# Altium PCB Lancelot.PcbDoc (part 14 of 14)
Units mil, origin at the board's own origin, x right, y up, seen from the top; angles counter-clockwise.
Board outline 4837.61 x 3252.61 mil, 6 copper layers (Top Layer, Mid-Layer 1, Mid-Layer 2, Mid-Layer 3, Mid-Layer 4, Bottom Layer); 372 components, 275 nets, 2062 pads, 1350 vias.
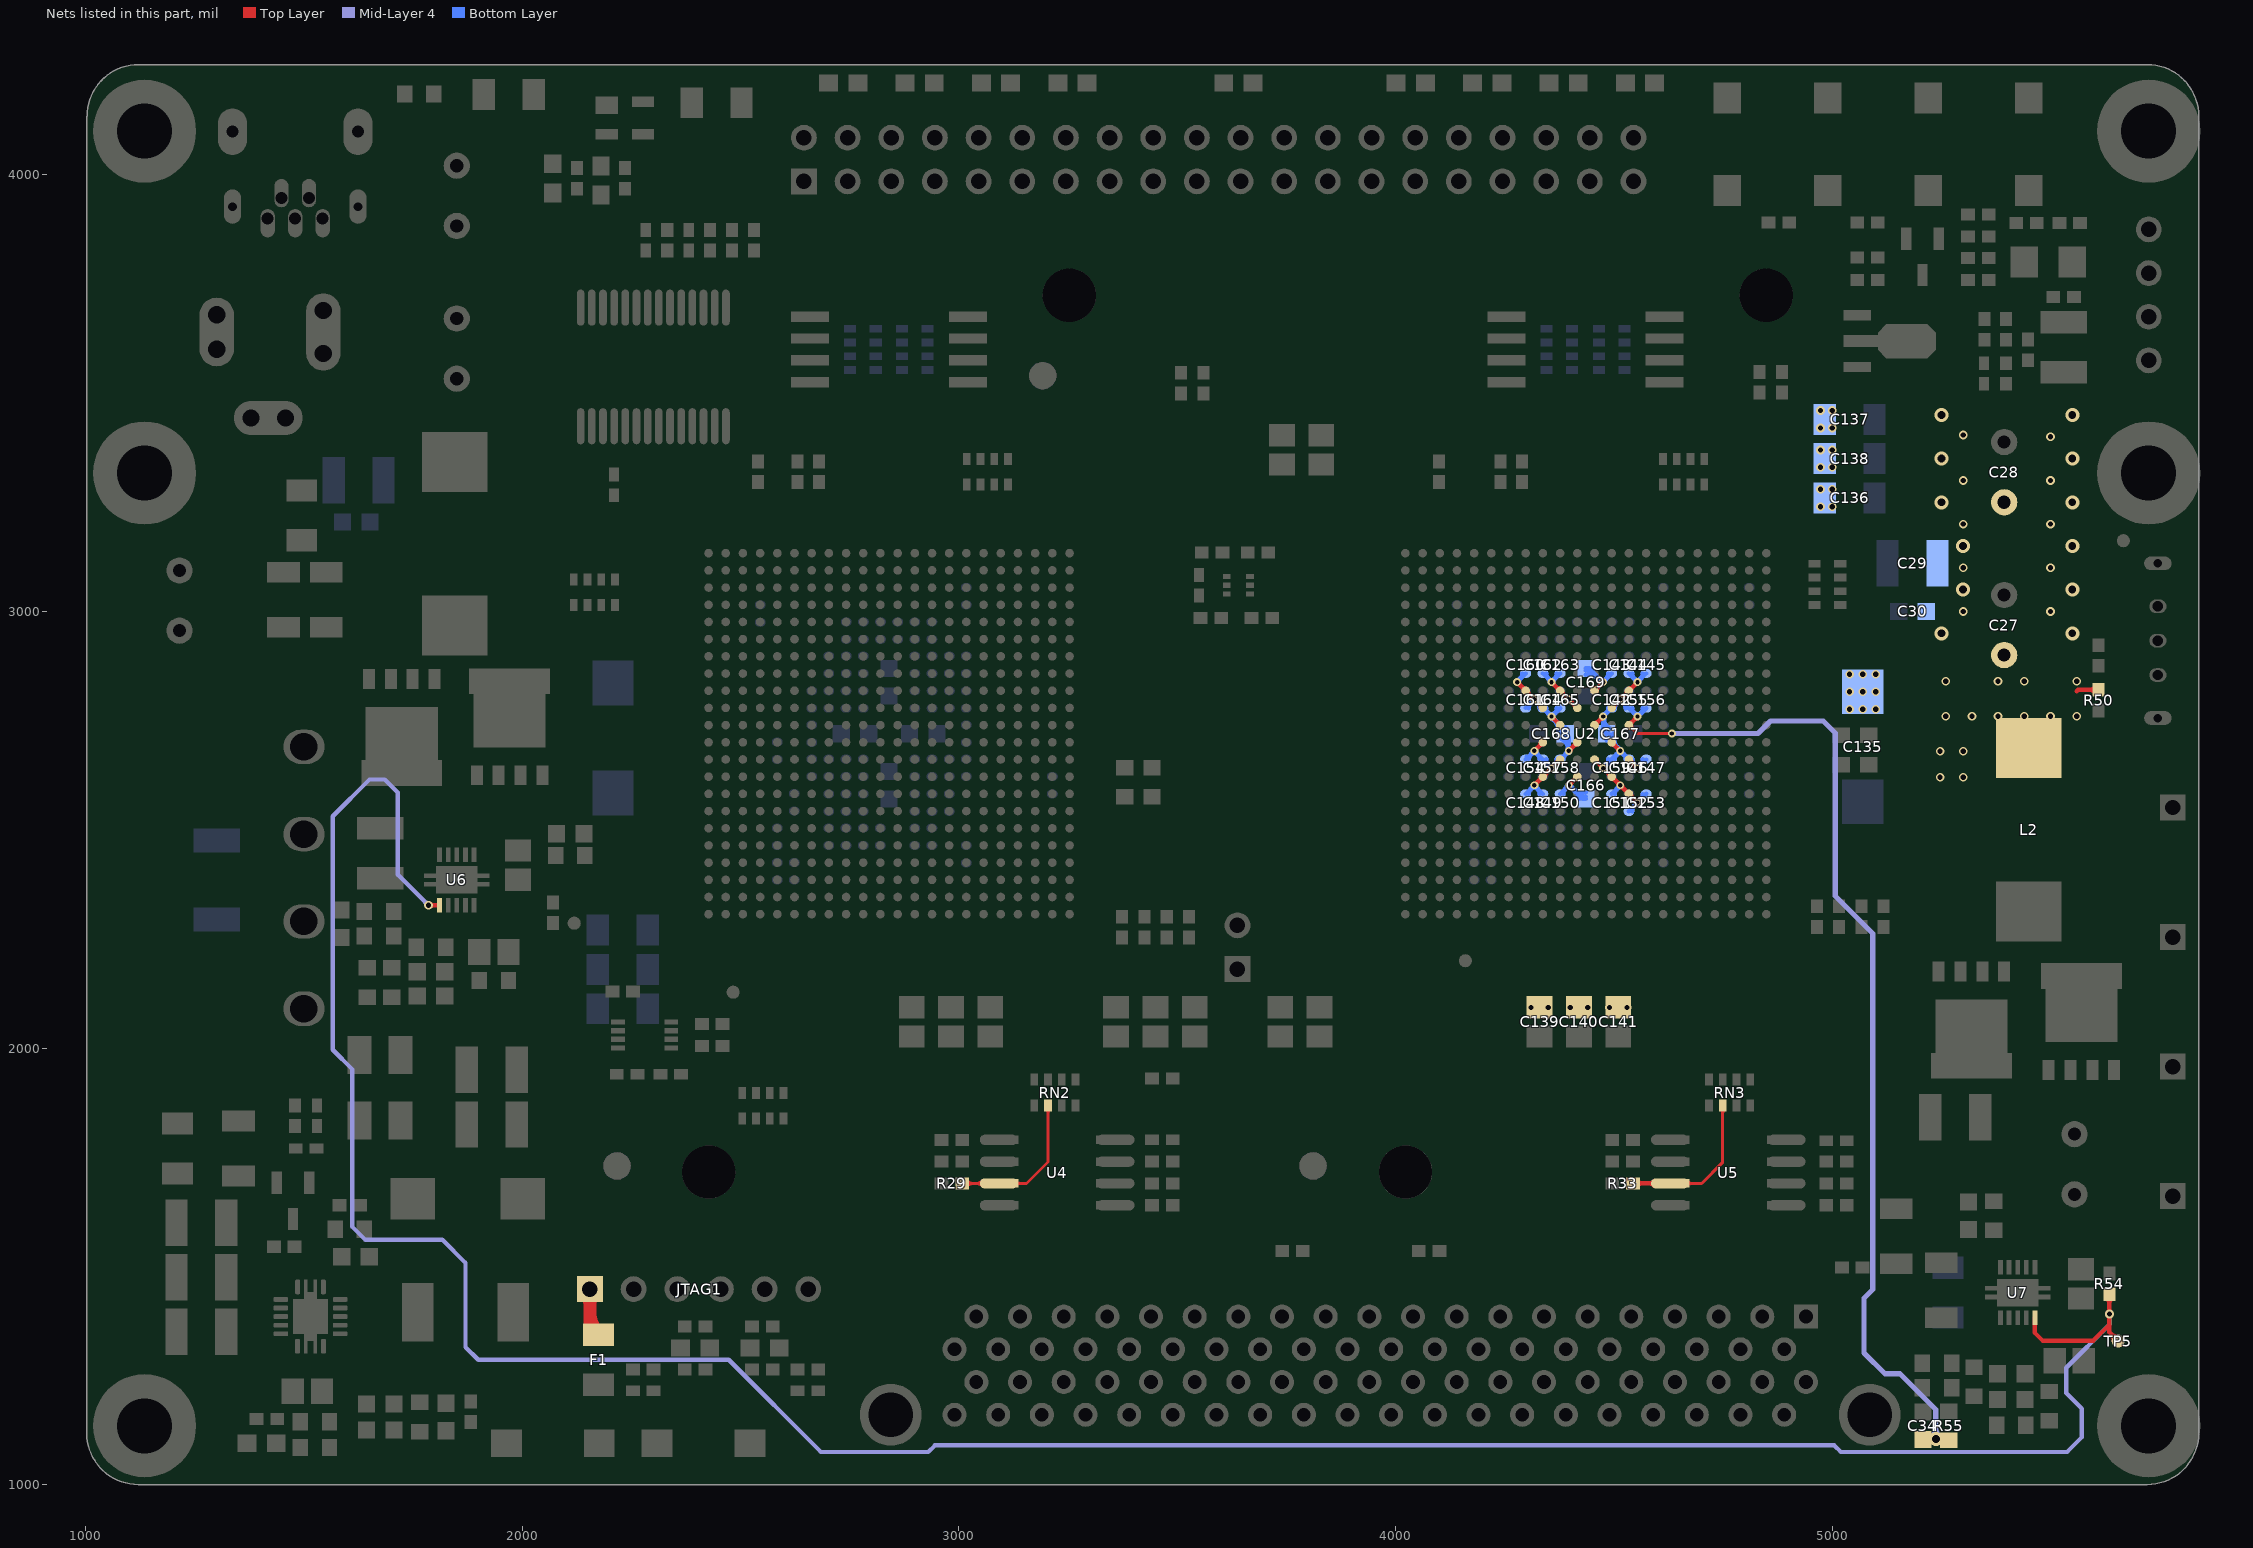
[diagram p18: the nets of this part, all layers, seen from the top]

## Via types
v1: diameter 18, hole 10, Top Layer to Bottom Layer, tented both sides, 625 vias
v2: diameter 20, hole 12, Top Layer to Bottom Layer, tented both sides, 515 vias
v3: diameter 32, hole 18, Top Layer to Bottom Layer, tented both sides, 191 vias
v4: diameter 23.62, hole 11.81, Top Layer to Bottom Layer, tented bottom, 10 vias
v5: diameter 19.68, hole 11.81, Top Layer to Bottom Layer, tented bottom, 4 vias
v6: diameter 118.11, hole 118.11, Top Layer to Bottom Layer, tented bottom, 2 vias
v7: diameter 78.74, hole 78.74, Top Layer to Bottom Layer, tented bottom, 2 vias
v8: diameter 50, hole 28, Top Layer to Bottom Layer, tented both sides, 1 vias

## Nets (pads, with @x,y where several pads share a name; then routed paths per layer and width w, separated by ;. In a path a pad name is that pad's centre, name@x,y a point inside that pad or via, vN(x,y) a via of type N, cw(c..) or ccw(c..) an arc to the next point about the centre after c; other vN are vias at no path point) (continued)
VCCINT1V2_B: C27.1 C28.1 C29.2 C30.2 C34.2 C135.1 C136.2 C137.2 C138.2 C139.2 C140.2 C141.2 C142.2 C143.2 C144.2 C145.2 C146.2 C147.2 C148.2 C149.2 C150.2 C151.2 C152.2 C153.2 C154.2 C155.2 C156.2 C157.2 C158.2 C159.2 C160.2 C161.2 C162.2 C163.2 C164.2 C165.2 C166.2 C167.2 C168.2 C169.2 L2.2 R50.2 R55.1 U2.J8 U2.J10 U2.J12 U2.J14 U2.K9 U2.K11 U2.K13 U2.L10 U2.L12 U2.L14 U2.M9 U2.M11 U2.M13 U2.N10 U2.N12 U2.N14 U2.P9 U2.P11 U2.P13 U2.R14 | length 7125.7
  Top Layer w7: U2.L14@4534.42,2733.27 cw(c4534.42,2717.96) 4545.24,2728.79 cw(c4556.07,2739.61) U2.L14@4540.76,2739.61 ; U2.L14@4534.42,2739.61 4554.03,2720 v1@4632,2720
  Top Layer w10: v1@4278.51,2834.04 cw(c4278.51,2824.38) 4285.34,2831.21 cw(c4292.17,2838.04) v1@4282.51,2838.04 ; v1(4278.51,2838.04) U2.J8@4298.2,2818.35 ; U2.J8@4293.35,2818.35 ccw(c4281.66,2818.35) 4289.93,2826.62 ccw(c4298.2,2834.89) U2.J8@4298.2,2823.2 ; U2.J8@4298,2818 v1@4317.69,2798.31 ; U2.J8@4298.2,2813.51 cw(c4298.2,2803.15) 4305.52,2810.48 ; U2.J8@4303.04,2818.35 ccw(c4316.06,2818.35) 4306.85,2809.15 ; 4310.11,2805.89 ccw(c4317.88,2813.66) v1@4317.88,2802.67 ; v1(4317.88,2601.82) v1(4357.25,2641.19) U2.N10@4376.94,2660.87 ; v1@4317.88,2605.82 ccw(c4317.88,2615.47) 4324.71,2608.65 ccw(c4331.54,2601.82) v1@4321.88,2601.82 ; v1(4317.88,2680.56) U2.M9@4337.57,2700.24 ; v1@4317.88,2684.56 ccw(c4317.88,2694.22) 4324.71,2687.39 ccw(c4331.54,2680.56) v1@4321.88,2680.56 ; v1@4317.88,2794.67 cw(c4317.88,2785.01) 4324.71,2791.84 cw(c4331.54,2798.67) v1@4321.88,2798.67 ; v1(4317.88,2798.67) U2.K9@4337.57,2778.98 ; U2.P9@4332.72,2621.5 cw(c4321.03,2621.5) 4329.3,2613.24 cw(c4337.57,2604.97) U2.P9@4337.57,2616.66 ; U2.M9@4332.72,2700.24 cw(c4321.03,2700.24) 4329.3,2691.98 cw(c4337.57,2683.71) U2.M9@4337.57,2695.4 ; U2.K9@4332.72,2778.98 ccw(c4321.03,2778.98) 4329.3,2787.25 ccw(c4337.57,2795.52) U2.K9@4337.57,2783.83 ; U2.P9@4337.57,2626.35 ccw(c4337.57,2638.04) 4345.83,2629.77 ccw(c4354.1,2621.5) U2.P9@4342.41,2621.5 ; v1@4353.25,2641.19 cw(c4343.59,2641.19) 4350.42,2634.36 cw(c4357.25,2627.53) v1@4357.25,2637.19 ; v1@4357.25,2645.19 ccw(c4357.25,2654.84) 4364.08,2648.02 ccw(c4370.91,2641.19) v1@4361.25,2641.19 ; v1@4357.25,2755.3 cw(c4357.25,2745.64) 4364.08,2752.47 cw(c4370.91,2759.3) v1@4361.25,2759.3 ; v1(4357.25,2759.3) U2.L10@4376.94,2739.61 ; v1@4357.25,2834.04 cw(c4357.25,2824.38) 4364.08,2831.21 cw(c4370.91,2838.04) v1@4361.25,2838.04 ; v1(4357.25,2838.04) U2.J10@4376.94,2818.35 ; U2.N10@4372.09,2660.87 cw(c4360.4,2660.87) 4368.67,2652.61 cw(c4376.94,2644.34) U2.N10@4376.94,2656.03 ; U2.L10@4372.09,2739.61 ccw(c4360.4,2739.61) 4368.67,2747.88 ccw(c4376.94,2756.15) U2.L10@4376.94,2744.46 ; U2.J10@4372.09,2818.35 ccw(c4360.4,2818.35) 4368.67,2826.62 ccw(c4376.94,2834.89) U2.J10@4376.94,2823.2 ; U2.J10@4376.94,2813.51 cw(c4376.94,2802.52) 4384.71,2810.29 ; U2.J10@4377,2818 v1@4396.69,2798.31 ; U2.J10@4381.78,2818.35 ccw(c4394.17,2818.35) 4385.41,2809.59 ; 4389.3,2805.7 ccw(c4396.62,2813.03) v1@4396.62,2802.67 ; 4390,2805 cw(c4383.67,2798.67) v1@4392.62,2798.67 ; v1(4396.62,2601.82) U2.P11@4416.31,2621.5 ; v1@4396.62,2605.82 ccw(c4396.62,2615.47) 4403.45,2608.65 ccw(c4410.28,2601.82) v1@4400.62,2601.82 ; v1(4396.62,2680.56) U2.M11@4416.31,2700.24 ; v1@4396.62,2684.56 ccw(c4396.62,2694.22) 4403.45,2687.39 ccw(c4410.28,2680.56) v1@4400.62,2680.56 ; v1@4396.62,2794.67 cw(c4396.62,2785.01) 4403.45,2791.84 cw(c4410.28,2798.67) v1@4400.62,2798.67 ; v1(4396.62,2798.67) U2.K11@4416.31,2778.98 ; U2.P11@4411.46,2621.5 cw(c4399.77,2621.5) 4408.04,2613.24 cw(c4416.31,2604.97) U2.P11@4416.31,2616.66 ; U2.M11@4411.46,2700.24 cw(c4399.77,2700.24) 4408.04,2691.98 cw(c4416.31,2683.71) U2.M11@4416.31,2695.4 ; U2.K11@4411.46,2778.98 ccw(c4399.77,2778.98) 4408.04,2787.25 ccw(c4416.31,2795.52) U2.K11@4416.31,2783.83 ; U2.N12@4455.68,2656.03 cw(c4455.68,2644.34) 4463.94,2652.61 cw(c4472.21,2660.87) U2.N12@4460.52,2660.87 ; U2.N12@4455.68,2660.87 v1(4475.36,2641.19) U2.P13@4495.05,2621.5 v1(4514.73,2601.82) v1(4554.1,2562.45) ; U2.L12@4455.68,2739.61 v1(4475.36,2759.3) ; U2.L12@4455.68,2744.46 ccw(c4455.68,2756.15) 4463.94,2747.88 ccw(c4472.21,2739.61) U2.L12@4460.52,2739.61 ; U2.J12@4455.68,2818.35 v1(4475.36,2838.04) ; U2.J12@4455.68,2823.2 ccw(c4455.68,2834.89) 4463.94,2826.62 ccw(c4472.21,2818.35) U2.J12@4460.52,2818.35 ; v1@4471.36,2641.19 ccw(c4461.71,2641.19) 4468.53,2648.02 ccw(c4475.36,2654.84) v1@4475.36,2645.19 ; v1@4471.36,2759.3 cw(c4461.71,2759.3) 4468.53,2752.47 cw(c4475.36,2745.64) v1@4475.36,2755.3 ; v1@4471.36,2838.04 cw(c4461.71,2838.04) 4468.53,2831.21 cw(c4475.36,2824.38) v1@4475.36,2834.04 ; v1@4475.36,2637.19 cw(c4475.36,2627.53) 4482.19,2634.36 cw(c4489.02,2641.19) v1@4479.36,2641.19 ; U2.P13@4490.2,2621.5 ccw(c4478.51,2621.5) 4486.78,2629.77 ccw(c4495.05,2638.04) U2.P13@4495.05,2626.35 ; U2.P13@4495.05,2616.66 cw(c4495.05,2604.97) 4503.31,2613.24 cw(c4511.58,2621.5) U2.P13@4499.89,2621.5 ; U2.M13@4495.05,2695.4 cw(c4495.05,2683.71) 4503.31,2691.98 cw(c4511.58,2700.24) U2.M13@4499.89,2700.24 ; U2.M13@4495.05,2700.24 v1(4514.73,2680.56) ; U2.K13@4495.05,2778.98 v1(4514.73,2798.67) ; U2.K13@4495.05,2783.83 ccw(c4495.05,2795.52) 4503.31,2787.25 ccw(c4511.58,2778.98) U2.K13@4499.89,2778.98 ; v1@4510.73,2601.82 ccw(c4501.08,2601.82) 4507.9,2608.65 ccw(c4514.73,2615.47) v1@4514.73,2605.82 ; v1@4510.73,2680.56 ccw(c4501.08,2680.56) 4507.9,2687.39 ccw(c4514.73,2694.22) v1@4514.73,2684.56 ; v1@4510.73,2798.67 cw(c4501.08,2798.67) 4507.9,2791.84 cw(c4514.73,2785.01) v1@4514.73,2794.67 ; v1@4514.73,2597.82 cw(c4514.73,2588.16) 4521.56,2594.99 cw(c4528.39,2601.82) v1@4518.73,2601.82 ; v1@4514.73,2802.67 ccw(c4514.73,2813.38) 4522.31,2805.81 ; v1@4514.81,2798.31 U2.J14@4534.5,2818 ; 4525.84,2809.34 ccw(c4516.83,2818.35) U2.J14@4529.57,2818.35 ; 4526.9,2810.4 cw(c4534.42,2802.88) U2.J14@4534.42,2813.51 ; U2.R14@4529.57,2582.13 ccw(c4517.88,2582.13) 4526.15,2590.4 ccw(c4534.42,2598.67) U2.R14@4534.42,2586.98 ; U2.R14@4534.42,2577.29 cw(c4534.42,2565.6) 4542.68,2573.87 cw(c4550.95,2582.13) U2.R14@4539.26,2582.13 ; U2.N14@4534.42,2656.03 cw(c4534.42,2644.34) 4542.68,2652.61 cw(c4550.95,2660.87) U2.N14@4539.26,2660.87 ; U2.N14@4534.42,2660.87 v1(4554.1,2641.19) ; U2.L14@4534.42,2739.61 v1(4554.1,2759.3) ; U2.L14@4534.42,2744.46 ccw(c4534.42,2756.15) 4542.68,2747.88 ccw(c4550.95,2739.61) U2.L14@4539.26,2739.61 ; U2.J14@4534.42,2818.35 v1(4554.1,2838.04) ; U2.J14@4534.42,2823.2 ccw(c4534.42,2834.89) 4542.68,2826.62 ccw(c4550.95,2818.35) U2.J14@4539.26,2818.35 ; v1@4550.1,2562.45 ccw(c4540.45,2562.45) 4547.27,2569.28 ccw(c4554.1,2576.1) v1@4554.1,2566.45 ; v1@4550.1,2641.19 ccw(c4540.45,2641.19) 4547.27,2648.02 ccw(c4554.1,2654.84) v1@4554.1,2645.19 ; v1@4550.1,2759.3 cw(c4540.45,2759.3) 4547.27,2752.47 cw(c4554.1,2745.64) v1@4554.1,2755.3 ; v1@4550.1,2838.04 cw(c4540.45,2838.04) 4547.27,2831.21 cw(c4554.1,2824.38) v1@4554.1,2834.04 ; 5560,2817.57 5563.05,2820.62 R50.2@5610,2820.62 ; R50.2@5603.79,2814.41 ccw(c5588.8,2799.43) 5588.8,2820.62 ccw(c5588.8,2841.82) R50.2@5603.79,2826.83
  Mid-Layer 4 w12: v1(4632.84,2720.31) 4830.08,2720.31 4858.82,2749.06 4979.45,2749.06 5007,2721.5 5007,2348.62 5093,2262.62 5093,1447 5073,1427 5073,1302 5121,1254 5155,1254 5237.47,1171.53 v3(5237.47,1105) ; v3@5230.4,1112.07 ccw(c5213.33,1129.14) 5237.47,1129.14 ccw(c5261.61,1129.14) v3@5244.54,1112.07
  Bottom Layer w10: v1@4277.48,2841.9 ccw(c4273.02,2858.53) 4287.92,2849.92 ; v1@4278.23,2838.23 C160.2@4298,2858 ; v1@4282.51,2838.04 cw(c4293.3,2838.04) 4285.67,2845.67 ; 4285.2,2845.2 ccw(c4272.39,2858) C160.2@4290.5,2858 ; C148.2@4298.11,2582.05 v1@4317.78,2601.72 ; C154.2@4298.11,2660.79 v1(4317.88,2680.56) C157.2@4337.65,2660.79 ; C161.2@4298.11,2778.9 v1(4317.88,2798.67) ; C154.2@4300.5,2667 ccw(c4300.5,2676.23) 4307.03,2669.7 ; C148.2@4305.5,2582 cw(c4323.45,2582) 4310.76,2594.7 ; C154.2@4305.5,2662 cw(c4320.41,2662) 4309.87,2672.55 ; C161.2@4305.5,2778 cw(c4325.51,2778) 4311.36,2792.15 ; C154.2@4306.97,2667.53 cw(c4324.01,2657.69) v1@4318.92,2676.69 ; 4307.65,2589.31 cw(c4323.72,2580.03) v1@4318.92,2597.95 ; 4308.11,2786.51 cw(c4323.52,2777.61) v1@4318.92,2794.81 ; v1@4313.88,2601.82 cw(c4304.22,2601.82) 4311.05,2594.99 cw(c4317.88,2588.16) 4317.88,2597.82 cw(c4317.88,2588.64) 4324.37,2595.13 ; v1@4313.88,2680.56 cw(c4304.22,2680.56) 4311.05,2673.73 cw(c4317.88,2666.9) 4317.88,2676.56 cw(c4317.88,2666.9) 4324.71,2673.73 cw(c4331.54,2680.56) v1@4321.88,2680.56 ; v1@4313.88,2798.67 cw(c4304.22,2798.67) 4311.05,2791.84 cw(c4317.88,2785.01) v1@4317.88,2794.67 ; v1@4316.85,2597.95 cw(c4312.23,2580.73) 4327.68,2589.64 ; v1@4316.85,2676.69 cw(c4311.9,2658.23) C157.2@4328.45,2667.79 ; v1@4316.85,2794.81 cw(c4312.61,2778.98) 4326.79,2787.17 ; v1@4317.73,2601.77 v1@4317.78,2601.72 ; v1@4317.73,2797.77 C164.2@4337.5,2778 4357.27,2758.23 v1@4357.8,2758.75 ; v1(4317.88,2601.82) v1@4317.78,2601.72 ; v1@4321.88,2601.82 ccw(c4332.02,2601.82) 4324.85,2594.65 ; v1@4321.88,2798.67 ccw(c4334.08,2798.67) 4325.45,2790.05 ; 4324.7,2594.8 cw(c4311.89,2582) C149.2@4330,2582 ; 4324.7,2790.8 cw(c4311.89,2778) C164.2@4330,2778 ; 4325.45,2672.99 cw(c4314.45,2662) C157.2@4330,2662 ; C149.2@4337.5,2582 v1@4317.78,2601.72 ; C162.2@4337.48,2857.81 v1(4357.25,2838.04) ; C157.2@4337.57,2660.87 v1(4357.25,2641.19) ; C157.2@4345,2662 ccw(c4365.66,2662) v1@4351.05,2647.39 ; C164.2@4345,2778 ccw(c4363.11,2778) 4350.3,2765.2 ; C162.2@4345,2858 ccw(c4363.61,2858) 4350.45,2844.84 ; C164.2@4346.06,2772.54 ccw(c4363.5,2782.61) v1@4358.29,2763.16 ; 4347.26,2850.36 ccw(c4362.98,2859.44) v1@4358.29,2841.9 ; 4347.72,2653.16 ccw(c4362.79,2661.86) v1@4358.29,2645.05 ; 4348.63,2766.87 ccw(c4357.25,2775.49) 4357.25,2763.3 ccw(c4357.25,2775.49) 4365.87,2766.87 ; 4350.42,2648.02 cw(c4343.59,2641.19) v1@4353.25,2641.19 ; 4350.43,2648.02 ccw(c4357.25,2654.84) 4357.25,2645.19 ccw(c4357.25,2654.84) 4364.08,2648.02 ccw(c4370.91,2641.19) v1@4361.25,2641.19 ; v1@4353.25,2838.04 ccw(c4343.59,2838.04) 4350.42,2844.87 ccw(c4357.25,2851.7) 4357.25,2842.04 ccw(c4357.25,2851.19) 4363.72,2844.72 ; v1@4356.22,2645.05 ccw(c4351.71,2661.86) 4366.78,2653.16 ; v1@4356.22,2755.44 cw(c4353.54,2745.45) 4362.5,2750.62 ; v1@4356.22,2763.16 ccw(c4351.01,2782.61) C165.2@4368.44,2772.54 ; v1@4356.22,2841.9 ccw(c4351.56,2859.27) 4367.13,2850.28 ; v1@4357.25,2755.3 cw(c4357.25,2745.64) 4364.08,2752.47 cw(c4370.91,2759.3) v1@4361.25,2759.3 ; v1@4357.23,2838.23 C163.2@4377,2858 ; v1@4357.34,2641.1 v1(4357.25,2641.19) ; v1@4361.11,2758.26 ccw(c4369.78,2755.94) 4362.01,2751.46 ; v1@4361.25,2838.04 cw(c4371.42,2838.04) 4364.23,2845.23 ; v1@4363.45,2647.38 ccw(c4348.83,2662) C158.2@4369.5,2662 ; 4364.2,2765.2 ccw(c4351.39,2778) C165.2@4369.5,2778 ; 4364.2,2845.2 ccw(c4351.39,2858) C163.2@4369.5,2858 ; C168.2@4373.81,2720.02 ccw(c4319.14,2720.1) v1@4357.8,2758.75 ; 4374.84,2741.71 cw(c4353.17,2720.05) C168.2@4383.81,2720.01 ; C150.2@4376.85,2582.05 v1(4396.62,2601.82) 4427.94,2570.5 C166.2@4436,2570.5 ; C158.2@4376.85,2660.79 v1(4396.62,2680.56) 4396.62,2711.88 C168.2@4388.5,2720 4388.5,2728.06 v1@4357.8,2758.75 ; C158.2@4377.02,2660.96 v1(4357.25,2641.19) ; C165.2@4377,2778 4358.3,2759.3 v1(4357.25,2759.3) v1@4357.8,2758.75 ; C168.2@4377.18,2739.37 ccw(c4388.5,2750.69) C168.2@4388.5,2734.68 ; C168.2@4380.95,2707.4 cw(c4364.36,2679.73) v1@4396.62,2679.73 ; C150.2@4384.5,2582 cw(c4403.08,2582) 4389.94,2595.14 ; C158.2@4384.5,2662 cw(c4400.04,2662) 4389.05,2672.99 ; C158.2@4386.05,2667.79 cw(c4402.6,2658.23) v1@4397.66,2676.69 ; C168.2@4386.09,2715.98 cw(c4374.94,2697.39) 4396.62,2697.39 ; 4386.72,2589.57 cw(c4402.32,2580.56) 4397.66,2597.95 cw(c4399.98,2589.28) 4404.47,2597.06 ; v1@4392.62,2601.82 cw(c4382.96,2601.82) 4389.79,2594.99 cw(c4396.62,2588.16) 4396.62,2597.82 cw(c4396.62,2588.16) 4403.45,2594.99 cw(c4410.28,2601.82) v1@4400.62,2601.82 ; v1@4392.62,2680.56 cw(c4382.96,2680.56) 4389.79,2673.73 cw(c4396.62,2666.9) v1@4396.62,2676.56 ; v1@4393.16,2682.56 ccw(c4385.43,2687.02) 4394.05,2689.33 ; v1@4393.79,2683.39 ccw(c4386.96,2690.22) 4396.62,2690.22 ccw(c4406.28,2690.22) v1@4399.45,2683.39 ; 4393.78,2690.33 ccw(c4403.81,2693.02) v1@4398.62,2684.02 ; v1@4397.16,2601.28 ccw(c4436,2640.11) C166.2@4436,2585.19 ; v1@4400.48,2602.85 ccw(c4410.47,2605.53) 4405.3,2596.58 ; 4414.23,2584.2 ccw(c4436,2605.97) C166.2@4436,2575.19 ; C166.2@4416.63,2581.81 cw(c4405.33,2570.5) C166.2@4421.32,2570.5 ; C169.2@4436,2854.81 cw(c4436,2800.27) v1@4474.57,2838.84 ; C169.2@4436,2864.81 cw(c4436,2834.41) 4457.5,2855.91 ; C169.2@4436,2869.5 4443.91,2869.5 v1(4475.36,2838.04) C143.2@4495.14,2857.81 ; C169.2@4450.69,2869.5 ccw(c4467.05,2869.5) C169.2@4455.48,2857.93 ; 4466.54,2843.47 cw(c4461.21,2834.25) v1@4471.5,2837.01 ; v1@4471.36,2838.04 ccw(c4461.71,2838.04) 4468.53,2844.87 ccw(c4475.36,2851.7) 4475.36,2842.04 ccw(c4475.36,2851.7) 4482.19,2844.87 ccw(c4489.02,2838.04) v1@4479.36,2838.04 ; v1@4472.53,2756.47 cw(c4465.71,2749.64) 4475.36,2749.64 cw(c4485.02,2749.64) v1@4478.19,2756.47 ; v1@4473.36,2755.84 cw(c4468.54,2747.47) 4477.86,2749.97 cw(c4487.19,2752.47) v1@4478.83,2757.3 ; v1@4474.33,2645.05 ccw(c4469.89,2661.63) 4484.75,2653.05 ; v1@4474.33,2763.16 ccw(c4469.4,2781.54) C142.2@4485.88,2772.03 ; v1@4474.33,2841.9 ccw(c4469.69,2859.2) 4485.2,2850.25 ; v1(4475.36,2641.19) C159.2@4495.14,2660.96 ; v1@4475.36,2645.19 ccw(c4475.36,2654.84) 4482.19,2648.02 ccw(c4489.02,2641.19) v1@4479.36,2641.19 ; 4475.36,2742.08 ccw(c4496.1,2742.08) C167.2@4485.83,2724.07 ; v1@4475.36,2763.3 ccw(c4475.36,2772.96) 4482.19,2766.13 ccw(c4489.02,2759.3) v1@4479.36,2759.3 ; v1@4481.37,2647.19 ccw(c4466.56,2662) C159.2@4487.5,2662 ; 4481.97,2844.65 ccw(c4468.61,2858) C143.2@4487.5,2858 ; 4482.86,2766.8 ccw(c4471.66,2778) C142.2@4487.5,2778 ; C167.2@4483.5,2705.31 cw(c4483.5,2689.69) C167.2@4494.55,2700.74 ; C167.2@4488.19,2719.98 ccw(c4518.91,2719.83) 4497.19,2698.1 ; C167.2@4490.78,2732.76 cw(c4505.92,2759.3) v1(4475.36,2759.3) ; C159.2@4495,2662 v1@4514.15,2681.15 ; C142.2@4495,2778 4514.75,2797.75 C155.2@4534.5,2778 4554.25,2758.25 C156.2@4574,2778 ; C151.2@4495.05,2582.13 v1@4514.82,2601.91 ; C142.2@4495.14,2779.07 v1(4475.36,2759.3) ; C167.2@4498.19,2719.93 ccw(c4552.66,2719.67) v1@4514.14,2681.15 ; C151.2@4502.5,2582 cw(c4520.82,2582) 4507.86,2594.95 ; C159.2@4502.5,2662 cw(c4520.61,2662) 4507.8,2674.8 ; C142.2@4502.5,2778 cw(c4520.61,2778) 4507.8,2790.8 ; C159.2@4503.43,2667.23 cw(c4521.03,2657.06) v1@4515.77,2676.69 ; 4504.69,2589.45 cw(c4520.49,2580.33) v1@4515.77,2597.95 ; 4505.62,2787.02 cw(c4520.1,2778.66) v1@4515.77,2794.81 ; 4505.9,2672.9 cw(c4514.73,2664.06) 4514.73,2676.56 cw(c4514.73,2663.98) 4523.62,2672.87 ; 4507.24,2790.24 ccw(c4498.81,2798.67) v1@4510.73,2798.67 ; 4509.46,2689.26 ccw(c4518.46,2694.46) v1@4515.77,2684.42 ; 4509.98,2688.36 cw(c4502.25,2683.9) v1@4510.87,2681.59 ; v1@4510.73,2601.82 cw(c4501.08,2601.82) 4507.91,2594.99 cw(c4514.73,2588.16) v1@4514.73,2597.82 ; v1@4510.73,2680.56 ccw(c4501.08,2680.56) 4507.9,2687.39 ccw(c4514.73,2694.21) v1@4514.73,2684.56 ; v1@4513.7,2676.69 cw(c4508.41,2656.97) C146.2@4526.1,2667.18 ; v1@4513.7,2794.81 cw(c4509.35,2778.56) 4523.91,2786.97 ; v1(4514.73,2680.56) v1@4514.15,2681.15 ; v1@4518.73,2798.67 ccw(c4530.57,2798.67) 4522.2,2790.3 ; 4521.7,2674.8 cw(c4508.89,2662) C146.2@4527,2662 ; 4521.7,2790.8 cw(c4508.89,2778) C155.2@4527,2778 ; C146.2@4534.33,2660.96 v1(4554.1,2641.19) C147.2@4573.88,2660.96 ; C144.2@4534.33,2857.81 v1(4554.1,2838.04) C145.2@4573.88,2857.81 ; C152.2@4534.42,2542.76 C153.2@4573.96,2582.31 ; C152.2@4542,2542 cw(c4562.15,2542) v1@4547.9,2556.25 ; C155.2@4542,2778 ccw(c4560.11,2778) 4547.3,2765.2 ; C144.2@4542,2858 ccw(c4560.97,2858) 4547.56,2844.59 ; C155.2@4543.18,2772.34 ccw(c4560.24,2782.19) v1@4555.14,2763.16 ; 4544.31,2850.22 ccw(c4559.76,2859.14) v1@4555.14,2841.9 ; 4544.57,2550.47 cw(c4559.64,2541.77) v1@4555.14,2558.58 ; 4544.76,2653.01 ccw(c4559.56,2661.56) 4555.14,2645.05 cw(c4559.3,2660.6) 4545.37,2652.55 ; 4545.73,2766.77 ccw(c4554.1,2775.14) 4554.1,2763.3 ccw(c4554.1,2775.85) 4562.97,2766.97 ; 4546.42,2650.08 cw(c4537.53,2641.19) 4550.1,2641.19 ccw(c4540.45,2641.19) 4547.27,2648.02 ccw(c4554.1,2654.84) 4554.1,2645.19 ccw(c4554.1,2654.84) 4560.93,2648.02 ccw(c4567.76,2641.19) v1@4558.1,2641.19 ; 4547.3,2649.2 cw(c4560.11,2662) 4542,2662 ccw(c4563.02,2662) v1@4548.16,2647.13 ; v1@4550.1,2562.45 cw(c4540.45,2562.45) 4547.27,2555.62 cw(c4554.1,2548.79) v1@4554.1,2558.45 ; v1@4550.1,2838.04 ccw(c4540.45,2838.04) 4547.27,2844.87 ccw(c4554.1,2851.7) 4554.1,2842.04 ccw(c4554.1,2851.7) 4560.93,2844.87 ccw(c4567.76,2838.04) v1@4558.1,2838.04 ; v1@4553.07,2566.31 ccw(c4548.2,2584.49) C153.2@4564.5,2575.08 ; v1@4553.07,2645.05 ccw(c4548.48,2662.16) 4563.82,2653.3 ; v1@4553.07,2763.16 ccw(c4547.75,2783.03) C156.2@4565.55,2772.75 ; v1@4553.07,2841.9 ccw(c4548.29,2859.74) 4564.28,2850.51 ; v1@4554.1,2566.45 ccw(c4554.1,2576.1) 4560.93,2569.28 ccw(c4567.76,2562.45) v1@4558.1,2562.45 ; v1@4554.27,2642.23 C146.2@4534.5,2662 4514.75,2681.75 v1@4514.15,2681.15 ; 4560.55,2647.63 ccw(c4546.18,2662) C147.2@4566.5,2662 ; 4561.15,2845.09 ccw(c4548.24,2858) C145.2@4566.5,2858 ; 4561.2,2765.2 ccw(c4548.39,2778) C156.2@4566.5,2778 ; 4561.44,2569.79 ccw(c4549.23,2582) C153.2@4566.5,2582 ; v1(4475.36,2759.3) 4475.36,2728.14 C167.2@4483.5,2720 4483.5,2711.79 v1@4514.15,2681.15
  other v2: 4310,2093 4350,2093 4400,2093 4440,2093 4490,2093 4530,2093 5247.24,2620 5300,2620 5247.24,2680 5300,2680 5260,2760 5320,2760 5380,2760 5440,2760 5500,2760 5560,2760 5040,2776 5070,2776 5100,2776 5040,2816 5070,2816 5100,2816 5260,2840 5380,2840 5440,2840 5560,2840 5040,2856 5070,2856 5100,2856 5300,3000 5500,3000 5300,3100 5500,3100 5300,3200 5500,3200 4973.07,3240 5000,3240 4973.07,3280 5000,3280 5300,3300 5500,3300 4973.07,3330 5000,3330 4973.07,3370 5000,3370 5500,3400 5300,3403.9 4973.07,3420 5000,3420 4973.07,3460 5000,3460
  other v3: 5250,2950 5550,2950 5300,3050 5550,3050 5300,3150 5550,3150 5250,3250 5550,3250 5250,3350 5550,3350 5250,3450 5550,3450
VCCINT2_PG: R54.1 TP5.1 U6.1 U7.5 | length 6672.3
  Top Layer w10: v2(1785,2327) 1785.07,2326.93 U6.1@1810.63,2326.93 ; v2@1788.54,2323.46 cw(c1796.9,2315.1) 1796.9,2326.93 ; v2@1788.54,2330.54 ccw(c1797.24,2339.24) 1797.24,2326.93 ; U7.5@5464.37,1381.93 5464.37,1347.63 5482,1330 5598,1330 5635,1367 R54.1@5635,1436.38 ; R54.1@5628.79,1428.2 cw(c5613.8,1413.21) 5635,1413.21 cw(c5656.2,1413.21) R54.1@5641.21,1428.2 ; v2@5631.46,1394.54 ccw(c5622.93,1403.07) 5635,1403.07 ccw(c5647.07,1403.07) v2@5638.54,1394.54 ; v2(5635,1391) 5635,1349 TP5.1@5655,1329 ; TP5.1@5645,1329 ccw(c5620.86,1329) 5637.93,1346.07 ccw(c5655,1363.14) TP5.1@5655,1339 ; 5635,1378.93 ccw(c5622.93,1378.93) 5631.46,1387.46 cw(c5622.93,1378.93) 5635,1378.93 ; 5635,1378.93 cw(c5647.07,1378.93) 5638.54,1387.46 ccw(c5647.07,1378.93) 5635,1378.93
  Mid-Layer 4 w10: v2@1780,2327 ccw(c1767.93,2327) 1776.46,2335.54 ccw(c1785,2344.07) v2@1785,2332 ; v2(1785,2327) 1714.64,2397.36 1714.64,2585.36 1685,2615 1650,2615 1566,2531 1566,1996 1611,1951 1611,1590.38 1640,1561.38 1816.62,1561.38 1870,1508 1870,1315 1899,1286 2473,1286 2684,1075 2930,1075 2945,1090 5005,1090 5020,1075 5538,1075 5572,1109 5572,1174 5536,1210 5536,1268 5635,1367 v2(5635,1391) ; v2@5631.46,1387.46 cw(c5622.93,1378.93) 5635,1378.93 cw(c5647.07,1378.93) v2@5638.54,1387.46
VREF: F1.1 JTAG1.1 | length 213.4
  Top Layer w30: JTAG1.1@2144.73,1437.73 cw(c2119.93,1412.93) 2155,1412.93 cw(c2190.07,1412.93) JTAG1.1@2165.27,1437.73 ; F1.1@2155,1337 JTAG1.1@2155,1448 ; 2155,1393.18 ccw(c2215.25,1393.18) F1.1@2172.65,1350.58
WP_A: R29.2 RN2.2 U4.3 | length 465.1
  Top Layer w7: R29.2@3007.62,1690 U4.3@3091.14,1690 ; R29.2@3016.86,1682.73 cw(c3034.41,1665.18) 3034.41,1690 cw(c3034.41,1714.82) R29.2@3016.86,1697.27 ; U4.3@3053.77,1684.12 ccw(c3039.58,1669.94) 3039.58,1690 ccw(c3039.58,1710.06) U4.3@3053.77,1695.88 ; U4.3@3118.65,1690 3121.65,1690 3155,1690 3204.25,1739.25 RN2.2@3204.25,1868.47 ; U4.3@3128.51,1684.12 cw(c3142.7,1669.94) 3142.7,1690 cw(c3142.7,1710.06) U4.3@3128.51,1695.88 ; U4.3@3130.8,1685.52 cw(c3141.62,1674.69) 3141.62,1690 cw(c3141.62,1705.31) U4.3@3130.8,1694.48 ; RN2.2@3200.46,1859.76 cw(c3191.32,1850.62) 3204.25,1850.62 cw(c3217.19,1850.62) RN2.2@3208.04,1859.76
WP_B: R33.2 RN3.2 U5.3 | length 460.3
  Top Layer w7: U5.3@4658.65,1690 4701,1690 4749.25,1738.25 RN3.2@4749.25,1868.47 ; U5.3@4665.51,1684.12 cw(c4679.7,1669.94) 4679.7,1690 cw(c4679.7,1710.06) U5.3@4665.51,1695.88 ; U5.3@4667.8,1685.52 cw(c4678.62,1674.69) 4678.62,1690 cw(c4678.62,1705.31) U5.3@4667.8,1694.48 ; RN3.2@4745.46,1859.76 cw(c4736.32,1850.62) 4749.25,1850.62 cw(c4762.19,1850.62) RN3.2@4753.04,1859.76
  Top Layer w10: R33.2@4543.62,1690 U5.3@4628.14,1690 ; R33.2@4551.8,1683.79 cw(c4566.79,1668.8) 4566.79,1690 cw(c4566.79,1711.2) R33.2@4551.8,1696.21 ; U5.3@4591.83,1685.18 ccw(c4580.2,1673.56) 4580.2,1690 ccw(c4580.2,1706.44) U5.3@4591.83,1694.82
pads on no net: FX1.81 FX1.82 MASK1.0 MASK2.0 MASK3.0 P2.4 S1.4 S1.5 U1.A2 U1.B3 U1.B20 U1.C1 U1.C3 U1.C20 U1.E1 U1.F1 U1.F2 U1.K1 U1.K2 U1.K4 U1.K5 U1.M1 U1.M2 U1.P1 U1.P2 U1.T1 U1.T2 U1.V1 U1.V2 U1.W1 U1.W3 U1.Y1 U1.Y2 U1.Y3 U1.Y20 U2.A20 U2.A21 U2.F21 U2.F22 U2.H21 U2.H22 U2.K21 U2.K22 U2.L20 U2.L22 U2.M21 U2.M22 U2.P21 U2.P22 U2.T21 U2.T22 U2.V21 U2.V22 U2.W20 U2.W22 U2.Y3 U2.Y20 U10.2 U10.6 U10.8 U10.9 U10.10 U10.12 U10.13 U10.14 U10.24 U10.27 U10.28 USB1.6@1336.3,3927.18 USB1.6@1336.3,4098.82
copper on no net:
  other v6: 1100,2190 1100,2590
  other v7: 1400,1990 1400,2790

## Polygon pours and split planes (outlines as drawn)
GND on Bottom Layer "bg1" (solid, remove dead copper, pour order 137): 1002.48,4252.48 1002.48,1000 1004.48,1002 5840,1002 5840,4251.87 5839.39,4252.48 5835.91,4249 1002.48,4249
VCCINT1V2_A on Mid-Layer 1 "M27" (solid, remove dead copper, pour order 130): 3622,1489 2391,1489 2264,1616 1777,2103 1777,2951 1777,2978.24 1642.24,3113 1642.24,4250.72 1644,4252.48 1645.52,4254 3617,4254
VCCINT1V2_B on Mid-Layer 1 "M24" (solid, remove dead copper, pour order 128): 3638,1490 5255,1490 5655,1890 5655,4251 3641,4251 3639,4249 3637,4247 3637,1490
VCC12V on Mid-Layer 1 "M23" (solid, remove dead copper, pour order 126): 5006.02,3575 5526,3575 5600,3501 5600,3261 5621,3240 5672,3189 5840,3189 5840,1000 5267,1000 5261.43,1005.57 5261.43,1465.57 5675,1879.13 5675,1942 5675,2967 5514,3128 5514,3462 5480,3496 5007,3496 5006,3497 5006.02,3497.02 5006.02,3575
VCC12V on Mid-Layer 1 "M22" (solid, remove dead copper, pour order 125): 5305,1422 5305,1000 1002.48,1000 1002.48,2314.48 1003,2315 1514,2315 1559,2270 1559,1802 1743,1618 2246,1115 3961,1115 3961,1464.57 3962,1465.57 5261.43,1465.57 5305,1422
VCC_IN on Mid-Layer 1 "M21" (solid, remove dead copper, pour order 104): 3940,1130 3940,1255.57 3730,1465.57 2374.43,1465.57 1760,2080 1760,2970 1620,3110 1620,3710 1570,3760 1490,3760 1270,3760 1170,3660 1170,2415.41 1212.69,2372.72 1245.41,2340 1440,2340 1530,2340 1570,2300 1570,1810 2250,1130 3940,1130
VCCINT1V2_A on Mid-Layer 1 "M26" (solid, remove dead copper, pour order 129): 2347.87,3212.13 3332.13,3212.13 3332.13,2227.87 2347.87,2227.87 2347.87,3212.13
VCCINT1V2_B on Mid-Layer 1 "M25" (solid, remove dead copper, pour order 127): 4928.12,3212.06 4928.12,2227.8 3943.87,2227.8 3943.87,3212.06 4928.12,3212.06
VCCINT1V2_A on Mid-Layer 4 "M47" (solid, remove dead copper, pour order 143): 1782,3929 2101,3929 2255,3775 2285,3745 2496,3745 2496,3175.44 2493.31,3172.76 2396.76,3172.76 2369,3145 2369,3049 2099.07,3049 2098.07,3050 2098.07,3093.93 2079,3113 1642.95,3113 1642.24,3113.7 1642.24,3789.24 1782,3929
VCC12V on Mid-Layer 4 "M48" (solid, remove dead copper, pour order 105): 1456,3190.99 1003.47,3190.99 1002.48,3190 1002.48,1790 1395.01,1790 1404,1798.99 1420,1814.99 1420,2350 1420,2680 1210,2890 1210,3020 1450,3020 1457.6,3027.6 1457.6,3190
NetC10_1 on Mid-Layer 4 "M45" (solid, remove dead copper, pour order 103): 1232.6,3007 1622,3007 1622,2798 1650,2770 1790,2770 1800,2760 1800,2690 1780,2670 1750,2640 1640,2640 1610,2610 1540,2610 1240,2910 1232.6,2917.4 1232.6,3007
NetC13_1 on Mid-Layer 4 "M46" (solid, remove dead copper, pour order 101): 1680,3090 1680,2864.28 1699,2845.28 1824.72,2845.28 1850,2820 1872.57,2797.43 1872.57,2690 2056,2690 2064,2698 2064,3086 2060,3090
NetC26_1 on Mid-Layer 4 "M41" (solid, remove dead copper, pour order 116): 5280,2140 5280,2195 5260,2215 5225,2250 5225,2475 5700,2475 5700,2030 5670,2000 5460,2000 5460,2095 5435,2120 5420,2135 5280,2135 5280,2140
NetC23_1 on Mid-Layer 4 "M42" (solid, remove dead copper, pour order 122): 5220.57,2060 5360,2060 5400,2020 5400,1740 5400,1730.75 5318.7,1649.45 5289,1619.75 5289,1470 5220,1470 5220,1710.32 5260.5,1750.82 5270,1760.32 5270,1895 5220.57,1944.43 5220.57,2060
VCCINT1V2_B on Mid-Layer 4 "M43" (solid, remove dead copper, pour order 123): 5583.57,3490 5583.57,3181.43 5627.76,3137.24 5627.76,2627.76 5580,2580 5180,2580 5120,2640 4920,2840 4920,3360 4920,3436.14 4961.26,3477.4 4973.86,3490 5583.57,3490
NetC181_2 on Mid-Layer 4 "M44" (solid, remove dead copper, pour order 124): 5100,3549.79 5618.32,3549.79 5677.99,3595.95 5677.99,3641.07 5700,3658.1 5760,3658.1 5760,3720 5411.19,3720 5100,3720 5100,3556.57
VCC12V on Mid-Layer 4 "M48" (solid, remove dead copper, pour order 42): 1825,1123.5 4276.5,1123.5 4360,1040 4360,1005 4355,1000 1820,1000 1820,1118.5 1825,1123.5
GND on Top Layer "tgggg" (solid, remove dead copper, pour order 140): 2092,2944 2221,2944 2252,2975 2252,3121.64 2481.16,3350.8 2511,3380.64 2511,3467.93 5157,3467.93 5157,2260 3990.41,2260 3983.24,2267.17 3983.24,1972.7 3984,1971.94 3341,1971.94 3341,2219 3292.76,2267.24 2387.24,2267.24 2387.24,2160.24 2387,2160 2093,2160 2092,2161 2092,2941
GND on Top Layer "tggg" (solid, remove dead copper, pour order 139): 3983.24,3172.69 4888.75,3172.69 4888.75,3172.68 4888.75,2267.17 3983.24,2267.17 3983.24,3172.69
GND on Top Layer "tgg" (solid, remove dead copper, pour order 138): 2387.24,3172.76 3292.76,3172.76 3292.76,2267.24 2387.24,2267.24 2387.24,3172.76
GND on Top Layer "TG7" (solid, remove dead copper, pour order 113): 1575,2450 1755,2450 1785,2420 1790,2415 2025,2415 2025,2295 1925,2295 1910,2310 1910,2345 1900,2355 1780,2355 1760,2355 1725,2320 1720,2315 1575,2315 1575,2450
VCC3V3 on Top Layer "T5" (solid, remove dead copper, pour order 112): 1950,2075 1950,1570 1905,1525 1905,1325 2100,1325 2100,2075 1950,2075
GND on Top Layer "TG4" (solid, remove dead copper, pour order 111): 1800,2075 1910,2075 1910,1570 1906,1566 1696.95,1566 1696.95,1715.14 1725.39,1743.58 1727.36,1745.55 1800,1818.19 1800,2075
NetC171_2 on Top Layer "T3" (solid, remove dead copper, pour order 110): 1619,1410 1630,1421 1630,1542 1781,1542 1801,1522 1801,1329 1797,1325 1673,1325 1619,1379 1619,1410
GND on Top Layer "TG2" (solid, remove dead copper, pour order 108): 1460,1400 1430,1400 1400,1430 1400,1490 1460,1490 1460,1400
NetC174_2 on Top Layer "T2" (solid, remove dead copper, pour order 107): 1299.44,1280 1375,1280 1393.89,1300 1403.33,1310 1403.33,1340 1422.22,1360 1460,1360 1460,1390 1431.67,1390 1422.22,1390 1403.33,1410 1384.44,1430 1384.44,1520 1384.44,1670 1393.89,1680 1393.89,1750 1318.33,1750 1290,1720 1290,1640 1290,1280
GND on Top Layer "TG1" (solid, remove dead copper, pour order 106): 1211.55,1280 1002.48,1280 1002.48,1770 1220,1770 1220,1280 1211.55,1280
GND on Top Layer "TG8" (solid, remove dead copper, pour order 109): 5378,1471 5317,1471 5317,1408 5472,1408 5519,1361 5527,1353 5600,1353 5600,1455 5537,1455 5521,1471 5378,1471
NetC23_1 on Top Layer "T9" (solid, remove dead copper, pour order 114): 5300,1470 5185,1470 5170,1485 5170,1910 5170,2045 5235,2110 5405,2110 5440,2075 5440,1760 5465,1735 5605,1735 5635,1705 5635,1625 5610,1600 5281.3,1600 5281.3,1548.7 5300,1530 5302.4,1527.6 5302.4,1470
GND on Top Layer "TG10" (solid, remove dead copper, pour order 115): 5480,1975 5460,1955 5460,1775 5485,1750 5605,1750 5620,1765 5620,1975 5480,1975
NetC26_1 on Top Layer "T11" (solid, remove dead copper, pour order 117): 5280,2140 5280,2195 5260,2215 5225,2250 5225,2475 5700,2475 5700,2030 5670,2000 5460,2000 5460,2095 5435,2120 5420,2135 5280,2135 5280,2140
NetC13_1 on Top Layer "T12" (solid, remove dead copper, pour order 118): 1685,2819 1685,2975 1747,3037 1970,3037 2064,2943 2064,2698 2054,2688 1862,2688 1847,2703 1847,2785 1813,2819 1685,2819
NetC10_1 on Top Layer "T13" (solid, remove dead copper, pour order 119): 1460,3007 1232.6,3007 1187,2961.4 1187,2770.98 1357,2600.98 1381.98,2576 1507,2576 1608,2475 1759,2475 1830,2546 1830,2770 1800,2800 1636,2800 1622,2814 1622,3007 1459,3007
VCCINT1V2_B on Top Layer "T14" (solid, remove dead copper, pour order 120): 5627.76,2570 5627.76,3137.24 5583.57,3210 5583.57,3490 5183.99,3490 5183.99,2576.12 5187.71,2570 5626.08,2570
VCCINT1V2_A on Top Layer "T15" (solid, remove dead copper, pour order 121): 2047.76,3161 1647.24,3161 1642.24,3166 1642.24,3789.24 1743,3890 1782,3929 1930,3929 2047.76,3811.24 2047.76,3160
GND on Mid-Layer 2 "M33" (solid, remove dead copper, pour order 133): 1002.48,1000 5840,1000 5840,4252.48 1002.48,4252.48 1002.48,1000
GND on Mid-Layer 2 "M32" (solid, remove dead copper, pour order 132): 3943.87,2229 4926.92,2229 4928.12,2227.8 4928.12,3200 3945.87,3200 3943.87,3198
GND on Mid-Layer 2 "M31" (solid, remove dead copper, pour order 131): 2347.87,2234.63 3332.13,2234.63 3332.13,3212.13 2350,3212.13 2347.87,3210
VCC3V3 on Mid-Layer 3 "M36" (solid, remove dead copper, pour order 136): 1002.48,4252.48 1002.48,1000 5840,1000 5840,4251 5847,4258 5841.48,4252.48 1002.48,4252.48
VCC3V3 on Mid-Layer 3 "M35" (solid, remove dead copper, pour order 135): 3943.87,2227.8 3943.87,3212.06 4928.12,3212.06 4928.12,2227.8 3943.87,2227.8
VCC3V3 on Mid-Layer 3 "M34" (solid, remove dead copper, pour order 134): 2347.87,3212.13 3332.13,3212.13 3332.13,2230 3330,2227.87 2347.87,2227.87 2347.87,3212.13

## Keep-outs
Keep-Out Layer:
  lines w8: 1002.39,1118.5 ccw(c1120.5,1118.5) 1120.5,1000.39 ; 1002.48,1119.46 1002.48,4134.5 ; 1003.39,4134.5 cw(c1121.5,4134.5) 1121.5,4252.61 ; 1120.5,1000 5736.5,1000 ; 1121.5,4252.48 5736.5,4252.48 ; 5736.5,1000.39 ccw(c5736.5,1118.5) 5854.61,1118.5 ; 5736.5,4252.61 cw(c5736.5,4134.5) 5854.61,4134.5 ; 5855,1118.5 5855,4134.5

## Other copper
Top Layer:
  rectangle net NetC23_1: 5109.6,1601 5191,1696
  rectangle net VCC12V: 5100,1309 5198,1528
  rectangle net GND: 1745,2352 1940,2415
  rectangle net VCC3V3: 1915,1325 2065,1470
  rectangle net NetC171_2: 1570,1379 1639,1410.69
  rectangle net NetC171_2: 1696.5,1325 1801,1474
  rectangle net GND: 1500,1435 1530,1565
  rectangle net GND: 1422.93,1400 1500,1425
  rectangle net GND: 1422.93,1404.69 1460,1450
  rectangle net NetC174_2: 1390,1359 1463,1391
  rectangle net NetC33_1: 5459,1481 5603,1544
  rectangle net VCC12V: 5110,1309 5305,1422
  rectangle net GND: 5169,1786 5251,1898.12
  rectangle net VCC3V3: 2060,1800 2140,2040
  rectangle net VCC12V: 1335,3050 1620,3190
  rectangle net NetC20_2: 1884,2426 2019,2464
  rectangle net GND: 1846,2562 2010,2666
  rectangle net VCC12V: 1103,1787 1394,1904
  rectangle net VCC5USB: 2251,4155 2311.77,4200.87
  rectangle net NetC181_2: 5119,3510 5303,3728
  rectangle net VCC12V: 5006.02,3508.76 5095,3575
  rectangle net GND: 5480,3510 5755,3580
  rectangle net GND: 1457.3,3208.98 1620,3383.55
  pour cut-out: 5740,1296 5740,1569.99 5740.01,1570 5825,1570 5825,1296
  pour cut-out: 5141.62,2350.21 5141.62,2251.79 4941.38,2251.79 4941.38,2350.21 4941.54,2350.37 5141.78,2350.37
  pour cut-out: 2171.18,2412.45 2171.18,2520.07 2171.02,2520.23 2059,2520.23 2059,2412 2059.45,2412.45
  pour cut-out: 1565,2296 1732,2296 1733.02,2297.02 1733.02,2342.53 1565.53,2342.53 1565,2342
  pour cut-out: 5586.38,2948.21 5586.38,2747.79 5633.62,2747.79 5633.62,2948.21
  pour cut-out: 4991.06,2623.29 4991.06,2743.74 4991.22,2743.9 5113.28,2743.9 5113.28,2621.85 5111.84,2623.29
  pour cut-out: 3350.38,2547.87 3471.64,2547.87 3471.53,2547.98 3471.53,2670.02 3350.27,2670.02 3350.22,2670.07 3350.22,2547.71
  pour cut-out: 2703.62,3270.79 2516.38,3270.79 2516.38,3369.21 2703.62,3369.21
  pour cut-out: 4076.38,3270.79 4076.54,3270.63 4313.78,3270.63 4313.78,3369.06 4313.62,3369.21 4076.38,3369.21
  pour cut-out: 3700.47,3372.13 3700.47,3300.94 3869.21,3300.94 3869.53,3301.26 3869.53,3372.13
  pour cut-out: 3696.63,2128.9 3696.63,2057 3864.65,2057 3865.53,2057.87 3865.37,2058.03 3865.37,2128.9
  pour cut-out: 3330,2053 3330,2128.9 3579.37,2128.9 3579.37,2053
  pour cut-out: 3550.62,2326.21 3350.38,2326.21 3350.22,2326.06 3350.22,2227.63 3550.46,2227.63 3550.62,2227.79
  pour cut-out: 5042.31,3128.1 5042.31,2995.9 4935.69,2995.9 4935.69,3128.1
  pour cut-out: 4593.9,3373.31 4726.1,3373.31 4726.1,3266.69 4593.9,3266.69
  pour cut-out: 2998.9,3373.31 3131.1,3373.31 3131.1,3266.69 2998.9,3266.69
  pour cut-out: 3734.21,3158.62 3530.79,3158.62 3530.79,2963.21 3533,2961 3533.38,2961.38 3743.21,2961.38 3743.21,3149.94 3734.37,3158.78
  pour cut-out: 5284,1676.02 5343.06,1676.02 5398.06,1676.02 5398.06,1553.98 5284,1553.98
  pour cut-out: 5289,1469 5306.4,1469 5322.4,1485 5322.4,1540 5289,1540
  pour cut-out: 1422.93,1400 1422.93,1351.07 1423,1351 1470,1351 1470,1395 1465,1400
  text "Design By" at 3707,3782 h40
  text "ngzhang" at 3707,3686 h40
  text "1" at 5797,1301 h40 r90
Mid-Layer 1:
  pour cut-out: 5740,1296 5740,1569.99 5740.01,1570 5825,1570 5825,1296
  text "2" at 5797,1346.8 h40 r90
Mid-Layer 2:
  pour cut-out: 5740,1296 5740,1569.99 5740.01,1570 5825,1570 5825,1296
  text "3" at 5797,1392.6 h40 r90
Mid-Layer 3:
  pour cut-out: 5740,1296 5740,1569.99 5740.01,1570 5825,1570 5825,1296
  pour cut-out: 1568,1103 1608,1103 1608,1063 1568,1063
  text "4" at 5797,1438.4 h40 r90
Mid-Layer 4:
  rectangle net GND: 1810,2240 2030,2445
  rectangle net GND: 1850,2570 2000,2650
  rectangle net GND: 1764,1620 1920,2050
  rectangle net GND: 1400,1277.53 1600,1560
  rectangle net NetC174_2: 1260,1280 1360,1740
  rectangle net NetC171_2: 1620,1325 1801,1540
  rectangle net VCC3V3: 1950,1325 2100,2050
  rectangle net GND: 5317,1400 5460,1471
  rectangle net GND: 5460,1720 5620,1960
  pour cut-out: 5740,1296 5740,1569.99 5740.01,1570 5825,1570 5825,1296
  text "5" at 5797,1484.2 h40 r90
Bottom Layer:
  rectangle net VCC12V: 1200,2070 1420,2350
  rectangle net VCC_IN: 1200,2380 1420,2710
  rectangle net GND: 5072,2970 5160,3210
  rectangle net VCCINT1V2_B: 5200,2970 5330,3210
  rectangle net GND: 1470,3160 1600,3370
  rectangle net VCCINT1V2_A: 1642.24,3160 1730,3369.96
  rectangle net VCC12V: 5110,1306 5305,1422
  rectangle net GND: 5234,1485 5322.4,1540
  pour cut-out: 3128,3603 3128,3477 3255,3477 3255,3603
  pour cut-out: 2153,1793 2153,1667 2280,1667 2280,1793
  pour cut-out: 3747,1793 3747,1667 3874,1667 3874,1793
  pour cut-out: 4315,3530 4552,3530 4555,3533 4555,3665 4550,3670 4318,3670 4315,3667
  pour cut-out: 2720,3537 2724,3533 2959,3533 2959,3652.07 2939.19,3671.88 2724.88,3671.88 2720,3667
  pour cut-out: 5740,1296 5740,1569.99 5740.01,1570 5825,1570 5825,1296
  text "6" at 5797,1530 h40 r90

## Silkscreen, mask and mechanical layers (free items; w line width, h text height)
Top Overlay:
  circle w118.11: c4022.65,1716.03 r61.02
  circle w118.11: c2426.65,1716.03 r61.02
  circle w118.11: c3252.65,3724.03 r61.02
  circle w118.11: c4849.65,3724.03 r61.02
  lines w10: 2091.99,1970.93 2091.99,1537.93 2465.99,1537.93 2504.94,1576.88 2944.12,1576.88 2983.07,1537.93 3687.99,1537.93 3730.06,1580 4235,1580 4275,1540 4680,1540 4720,1580 4860,1580 4902.07,1537.93 5183.99,1537.93 ; 2091.99,3466.93 2091.99,3900.93 3687.99,3900.93 4705,3900.93 ; 2091.99,3467.93 3587.99,3467.93 3587.99,3165 ; 2092,3468 2092,1971.94 3587.99,1971.94 3587.99,2954.99 ; 2288.85,1715.93 2288.85,1971.94 ; 2288.85,1716.03 ccw(c2426.65,1716.03) 2564.44,1716.03 2564.44,1812.25 ; 2564,1935 2564,1971 ; 3115.62,3468 3115.62,3725.93 ; 3115.62,3723.91 cw(c3253.42,3723.91) 3391.21,3723.91 ; 3391.21,3468 3391.21,3727.93 ; 3688,2955 3688,1971.94 5183.99,1971.94 ; 3688,3165 3688,3468 ; 3687.99,3467.93 5183.99,3467.93 ; 3884.85,1715.93 3884.85,1971.94 ; 3884.85,1716.03 ccw(c4022.65,1716.03) 4160.44,1716.03 ; 4160.44,1716.93 4160.44,1971.94 ; 4711.62,3468 4711.62,3725.93 ; 4711.62,3723.91 cw(c4849.42,3723.91) 4987.21,3723.91 ; 4987.21,3468 4987.21,3727.93 ; 5130,3900.93 5183.99,3900.93 5183.99,3888.77 ; 5183.99,1680 5183.99,1971.93 ; 5183.99,3520 5183.99,3467.93 ; 5576,3851 5606,3851 ; 5591,3837 5591,3866 ; 5183.99,1971.94 5183.99,3467.93
  text "ON" at 5823,2627 h60 r90
Bottom Overlay:
  circle w118.11: c4849.65,3724.03 r61.02
  circle w118.11: c3252.65,3724.03 r61.02
  circle w118.11: c2426.65,1716.03 r61.02
  circle w118.11: c4022.65,1716.03 r61.02
  lines w10: 3715,2175 3755,2175 ; 3735,2155 3735,2195
  text "Lancelot" at 5157,2130 h100
  text "Dual Spartan6 Development Platform" at 5157,2012 h60
  text "REV: B" at 5157,1734 h60
Top Solder:
  text "Design By" at 3707,3782 h40
  text "ngzhang" at 3707,3686 h40

## Text inside footprints (layer, text, board x,y; h text height)
FAN1: Top Overlay "1" at 5633,3578 h40 r270
P1: Top Overlay "39" at 4605,3935 h40; Top Overlay "40" at 4605,4095 h40; Top Overlay "2" at 2545,4065 h40; Top Overlay "1" at 2545,3965 h40
U6: Top Overlay "1" at 1793,2357 h50 r180
U7: Top Overlay "1" at 5368,1412 h50 r180